# Altium PCB Ver1_0.PcbDoc
Units mm, origin at the board's own origin, x right, y up, seen from the top; angles counter-clockwise.
Board outline 40 x 65 mm, 2 copper layers (Top Layer, Bottom Layer); 59 components, 52 nets, 324 pads, 355 vias.
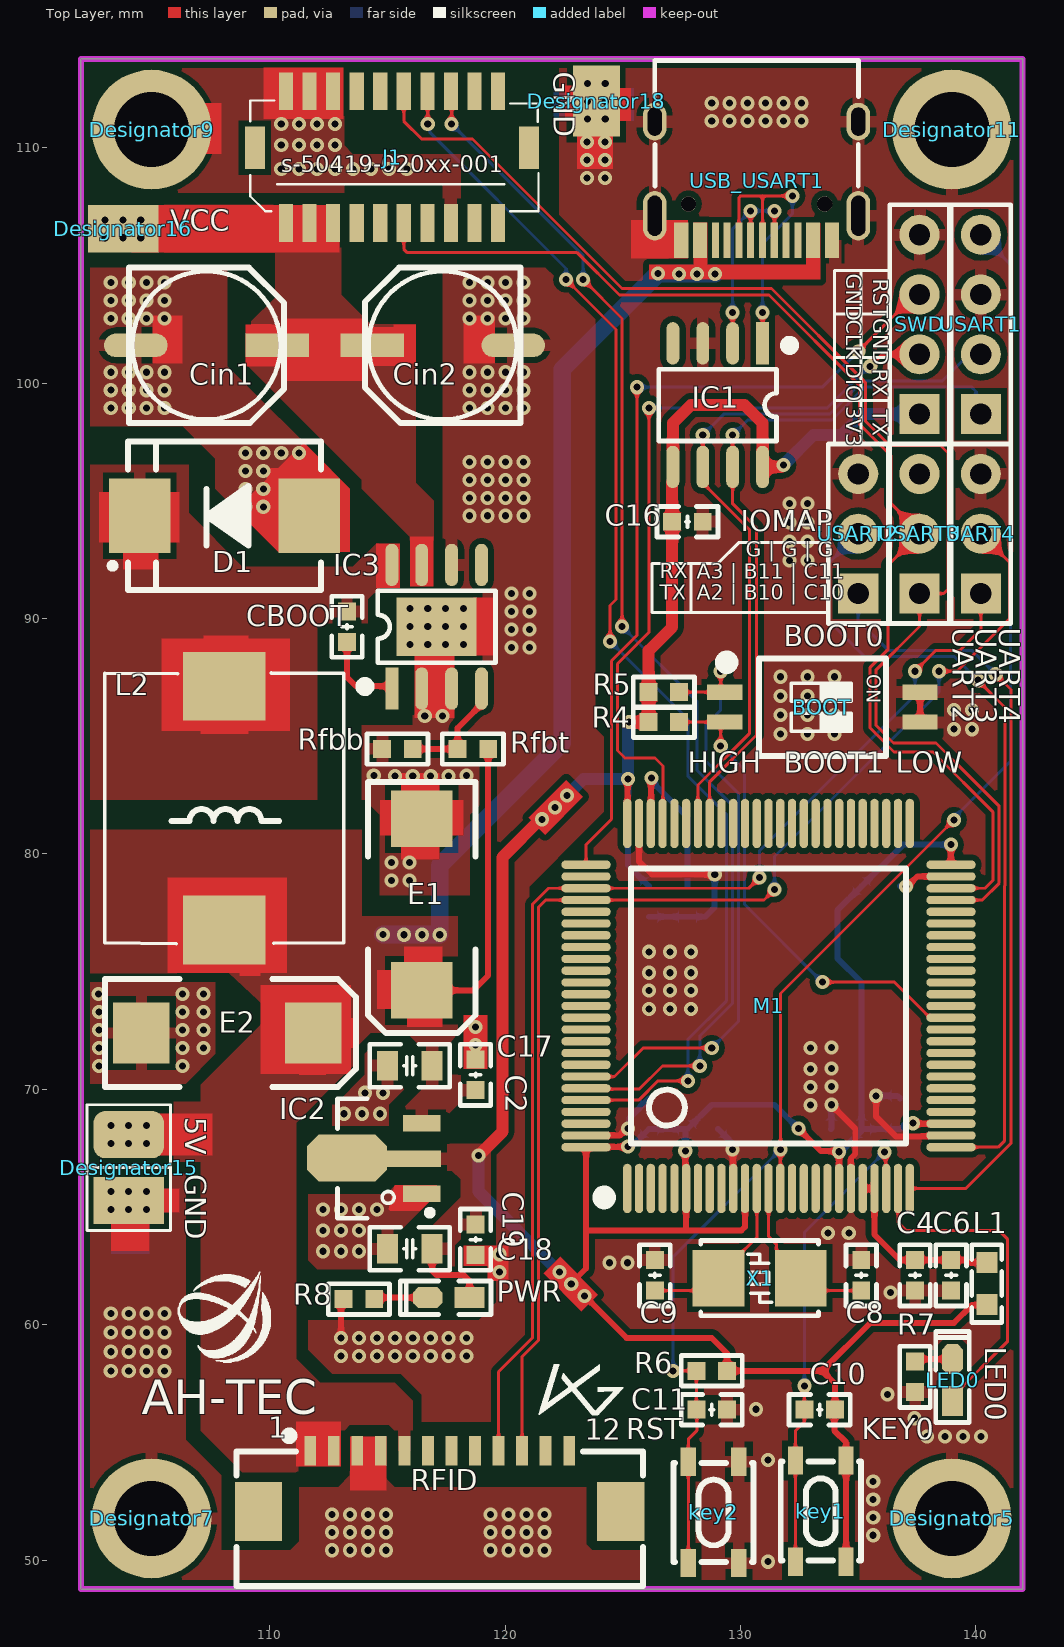
[diagram p0: Top Layer view]
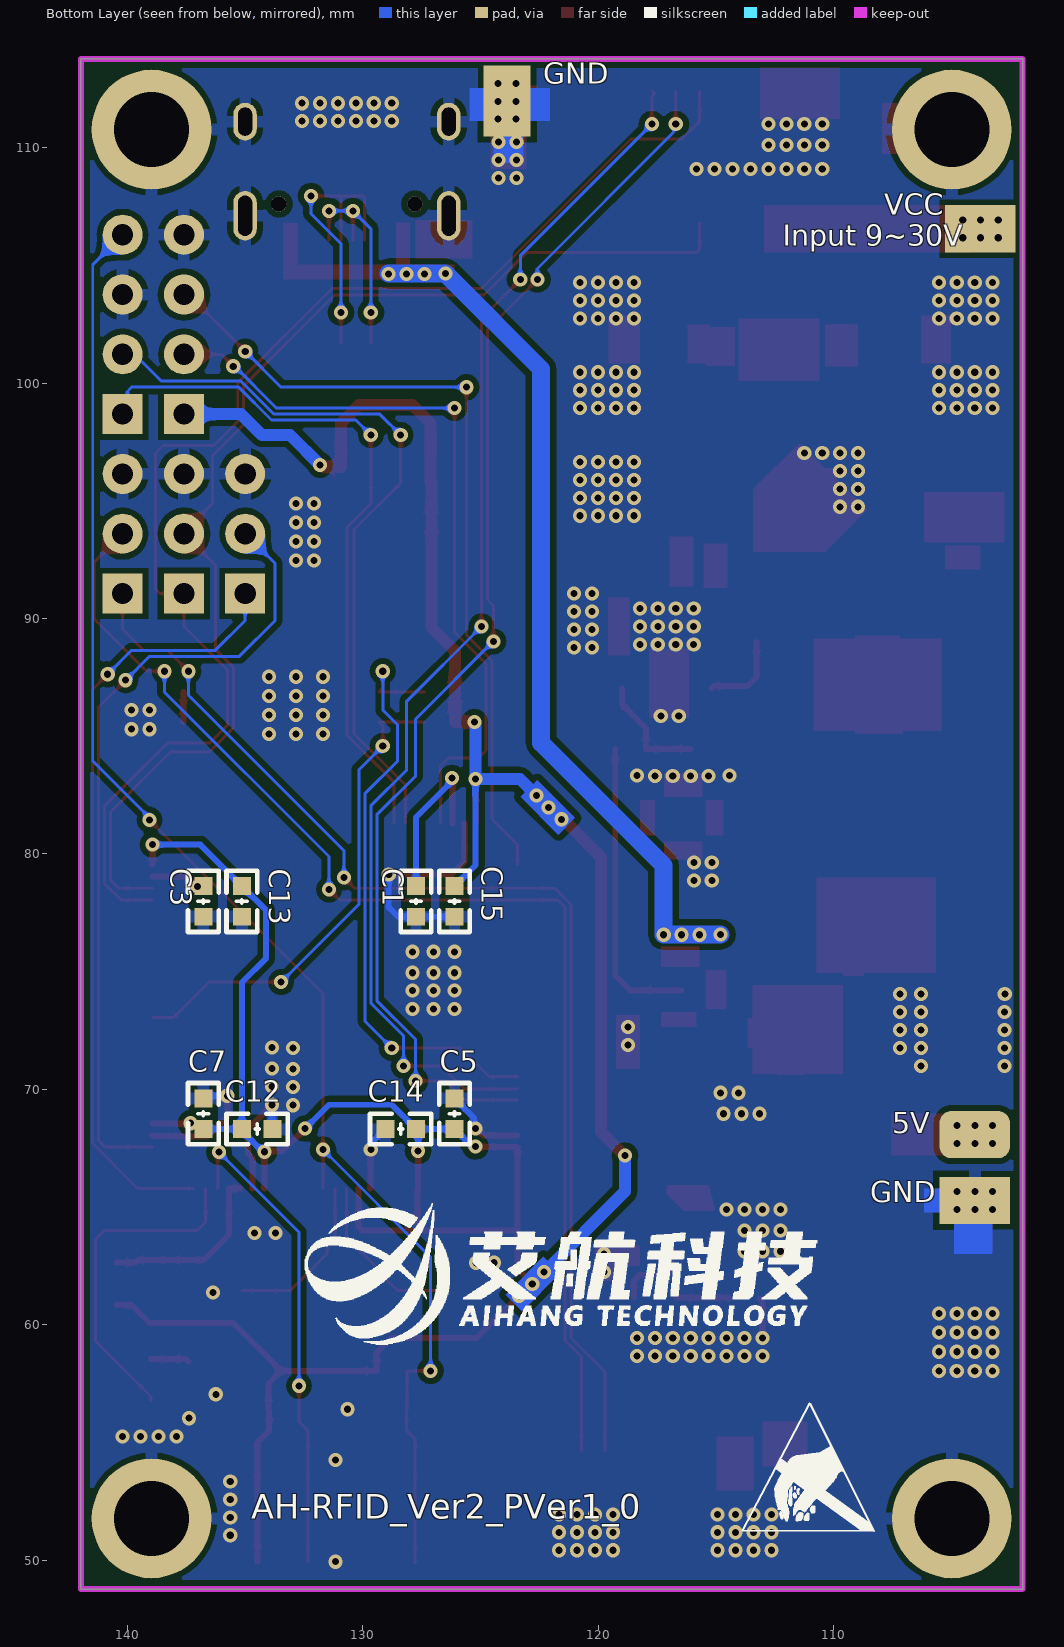
[diagram p1: Bottom Layer view, seen from below]

## Layer stack, top to bottom
Top Solder: solder mask 0.0102, Solder Resist, Dk 3.5
Top Layer: signal copper 0.0356
Dielectric 1: dielectric 0.32, FR-4, Dk 4.8
Bottom Layer: signal copper 0.0356
Bottom Solder: solder mask 0.0102, Solder Resist, Dk 3.5

## Board outline
101.981,48.768 141.981,48.768 141.981,113.768 101.981,113.768

## Design rules (kind name [scope] priority, off if disabled: settings)
Clearance [All] p1: gap=0.127 ignorepadtopadclearanceinfootprint=TRUE except(0.254: Track-Poly Track-Region SMDPad-Poly THPad-Poly THPad-Region Via-Poly Via-Region Fill-Poly Fill-Region Poly-Poly Poly-Region Region-Region)
HoleSize [All] p1: absolutevalues=TRUE maxlimit=5.08 minlimit=0.3 maxpercent=80.000 minpercent=20.000
HoleToHoleClearance [All] p1: gap=0.127 allowstackedmicrovias=TRUE
MinimumSolderMaskSliver [All] p1: minsoldermaskwidth=0.127
PlaneClearance [All] p1: clearance=0.381
PlaneConnect [All] p1: planeconnectstyle=Relief reliefexpansion=0.508 reliefentries=4 reliefconductorwidth=0.381 reliefairgap=0.381
PolygonConnect [All] p1: thpad.connectstyle=Relief thpad.reliefconductorwidth=0.508 thpad.reliefentries=4 thpad.polygonreliefangle="90 Angle" thpad.airgapwidth=0.254 smdpad.connectstyle=Relief smdpad.reliefconductorwidth=0.508 smdpad.reliefentries=4 smdpad.polygonreliefangle="90 Angle" smdpad.airgapwidth=0.254 via.connectstyle=Direct via.reliefconductorwidth=0.381 via.reliefentries=4 via.polygonreliefangle="90 Angle" via.airgapwidth=0.381
RoutingVias [All] p1: holewidth=0.711 width=1.27 viastyle="Through Hole" minholewidth=0.3 minwidth=0.6 maxholewidth=0.711 maxwidth=1.27
SilkToSilkClearance [All] p1: silktosilkclearance=0.127
SilkToSolderMaskClearance [IsPad] p1: minsilkscreentomaskgap=0.127 clearancetoexposedcopper=TRUE
SolderMaskExpansion [All] p1: expansion=0.102 istentingtop=FALSE
Width VCC [InNetClass('VCC')] p1: maxlimit=0.762 minlimit=0.127 preferedwidth=0.508
Width GND [InNetClass('GND')] p2: maxlimit=0.762 minlimit=0.127 preferedwidth=0.508
Width SIGNAL [InNetClass('SIGNAL')] p3: maxlimit=0.254 minlimit=0.127 preferedwidth=0.127
23 further rules are at their usual default settings.

## Classes and differential pairs
net class UART4: UART4_RX UART4_TX
net class SIGNAL: BOOT0 BOOT1 "CH340N D+" "CH340N D-" DJI_HIGH_PWR DJI_PPS KEY0 LED0 NetC1_1 NetC3_1 NetCBOOT1_1 NetCBOOT1_2 NetIC3_4 NetLED0_2 NetPWR_2 NRST OLED_CS OLED_DC OLED_RST OSC_8M_IN OSC_8M_OUT PB6_I2C1_SCL PB7_I2C1_SDA PC0_ADC123_IN10 PC1_ADC123_IN11 PC2_ADC123_IN12 PC3_ADC123_IN13 PC4_ADC12_IN14 PC5_ADC12_IN15 PC6 PC7 SPI1_CLK_PA5 SPI1_CS_PA4 SPI1_MISO_PA6 SPI1_MOSI_PA7 SPI2_CLK SPI2_MOSI SWCLK SWDIO UART4_RX UART4_TX USART1_RX USART1_TX USART2_RX USART2_TX USART3_RX USART3_TX VDDA
net class VCC: VCC13.6V_IN VCC_3V3 VCC_5V
net class GND: GND
component class Power: C2 C17 C18 C19 CBOOT Cin1 Cin2 D1 E1 E2 IC2 IC3 L2 Rfbb Rfbt
component class Main_Core: BOOT C1 C3 C4 C5 C6 C7 C8 C9 C10 C11 C12 C13 C14 C15 key1 key2 L1 LED0 M1 PWR R4 R5 R6 R7 R8 X1
component class Interface: C16 IC1 J1 RFID SWD UART4 USART1 USART2 USART3 USB_USART1

## Components (designator, comment, footprint, x,y, rotation, side; value= is the part's Value field where it differs from the comment)
BOOT "CSW-2P" "CSW1.27 SMD-2P" 133.477,86.233 r270 top locked
C1 "2.2uF" "C 0603_L" 127.747,77.978 r270 bottom locked
C2 "0.1uF" "C 0603_L" 118.745,70.612 r270 top locked
C3 "2.2uF" "C 0603_L" 136.779,77.978 r270 bottom locked
C4 "0.1uF" "C 0603_L" 137.414,62.099 r90 top locked
C5 "0.1uF" "C 0603_L" 126.111,68.961 r270 bottom locked
C6 "10uF" "C 0603_L" 138.945,62.099 r90 top locked
C7 "0.1uF" "C 0603_L" 136.779,68.961 r270 bottom locked
C8 "22pF" "C 0603_L" 135.128,62.098 r270 top locked
C9 "22pF" "C 0603_L" 126.365,62.098 r270 top locked
C10 "0.1uF" "C 0603_L" 133.365,56.388 r180 top locked
C11 "0.1uF" "C 0603_L" 128.778,56.388 r180 top locked
C12 "0.1uF" "C 0603_L" 134.493,68.311 r0 bottom locked
C13 "0.1uF" "C 0603_L" 135.143,77.978 r90 bottom locked
C14 "0.1uF" "C 0603_L" 128.397,68.311 r180 bottom locked
C15 "0.1uF" "C 0603_L" 126.111,77.978 r90 bottom locked
C16 "0.1uF" "C 0603_L" 127.747,94.107 r180 top locked
C17 "10uF" "C 0805_L" 115.951,70.998 r0 top locked
C18 "10uF" "C 0805_L" 115.951,63.226 r0 top locked
C19 "0.1uF" "C 0603_L" 118.745,63.612 r90 top locked
CBOOT "10nF" "C 0603_L" 113.284,89.647 r90 top locked (schematic designator CBOOT1)
Cin1 "100uF/40V" "CM D(6.3*7.7)" 107.315,101.6 r0 top locked
Cin2 "100uF/40V" "CM D(6.3*7.7)" 117.348,101.6 r180 top locked
D1 "SS54" SMC 108.077,94.361 r180 top locked
Designator5 "Comment" "M3 125X200" 138.981,51.768 r0 top locked
Designator7 "Comment" "M3 125X200" 104.981,51.768 r0 top locked
Designator9 "Comment" "M3 125X200" 104.981,110.768 r0 top locked
Designator11 "Comment" "M3 125X200" 138.981,110.768 r0 top locked
Designator15 "Comment" PAD_DOUBLE_x2_2x3mm 104.013,65.278 r90 top locked
Designator16 "Comment" PAD_DOUBLE_2x3mm 103.775,106.553 r90 top locked
Designator18 "Comment" PAD_DOUBLE_2x3mm 123.874,111.981 r180 top locked
E1 "220uF/10V" "CD D(7343)" 116.459,77.851 r90 top locked
E2 "220uF/10V" "CD D(7343)" 108.204,72.39 r180 top locked
IC1 "CH340N" SOP8_N 129.032,99.06 r270 top locked
IC2 "CJA1117" SOT89_M 114.402,67.056 r90 top locked
IC3 "TPS5450" ESOP8_N 117.094,89.647 r90 top locked value=N/A
J1 "X-Port_interface" s-50419-020xx-001 110.697,106.795 r0 top locked
key1 "key" TSMD-3*4*2.5 133.331,52.123 r90 top locked
key2 "key" TSMD-3*4*2.5 128.778,52.07 r90 top locked
L1 "10uH" "L 0603" 140.462,61.748 r270 top locked
L2 "10uH" L-SMD-1040 108.077,87.122 r90 top locked
LED0 "黄绿色" "LED 0603G" 139.013,57.647 r90 top locked
M1 "STM32F407VGT6" "LQFP100 14x14_M" 131.191,73.533 r0 top locked
PWR "红色" "LED 0603R" 117.602,61.155 r180 top locked
R4 "10K" "R 0603_L" 126.746,85.598 r180 top locked
R5 "10K" "R 0603_L" 126.746,86.868 r180 top locked
R6 "10K" "R 0603_L" 128.778,58.039 r180 top locked
R7 "2K" "R 0603_L" 137.414,57.785 r270 top locked
R8 "2K" "R 0603_L" 113.792,61.087 r180 top locked
Rfbb "3.24K" "R 0603_L" 115.428,84.455 r0 top locked
Rfbt "10K" "R 0603_L" 118.633,84.455 r0 top locked
RFID "FPC1.0-12P" FPC1.0-2H-WS-12P 117.221,52.07 r0 top locked
SWD "HDR-1X4" HDR2.54-LI-4P 137.605,102.489 r90 top locked
UART4 "HDR-1X4" HDR2.54-LI-3P 140.208,93.599 r90 top locked
USART1 "HDR-1X4" HDR2.54-LI-4P 140.208,102.489 r90 top locked
USART2 "HDR-1X4" HDR2.54-LI-3P 135.001,93.599 r90 top locked
USART3 "HDR-1X4" HDR2.54-LI-3P 137.605,93.599 r90 top locked
USB_USART1 "Type-C" Type-C 130.683,108.585 r90 top locked
X1 "8MHz" "OSC 5032-2P" 130.81,61.976 r180 top locked

## Footprints (in the part's own frame and the unit in brackets; to place one, negate y for a bottom-side part, rotate by r counter-clockwise, add the part's x,y. Pads: shape width x height; smd on the part's side, far side on the other; paste and mask are expansions set on the pad)
"C 0603_L" [mil] "无极性贴片电容"
  rect 30x30 smd: 1(-25.59,0) 2(25.59,0)
  silkscreen extent -51,-26 51,26, body extent -31,-16 31,16, height 32
"C 0805_L" [mil] "无极性贴片电容"
  rect 35x50 smd: 1(-37.4,0) 2(37.4,0)
  silkscreen extent -67,-36 67,36, body extent -39,-24 39,24, height 20
"CD D(7343)" [mm] "长7.3mm，宽4.3mm，厚2.8mm"
  rect 2.4x2.6 smd: 1(-3.65,0) 2(3.65,0)
  silkscreen extent -5.46,-2.29 5.21,2.29, body extent -3.65,-2.15 3.65,2.15, height 2.8
"CM D(6.3*7.7)" [mm] "贴片电解电容，直径6.3mm，高7.7mm"
  rect 2.7x1 smd: 1(3,0)
  oval 2.7x1 smd: 2(-3,0)
  silkscreen extent -3.3,-3.3 3.3,3.3, body extent -3.5,-3.3 3.5,3.3, height 7.7
"CSW1.27 SMD-2P" [mm] "长：4.14mm，宽：5.4mm，高：2.3mm"
  rect 0.65x1.5 smd: 1(-0.635,-4.15) 2(0.635,-4.15) 3(0.635,4.15) 4(-0.635,4.15)
  silkscreen extent -2.15,-4.31 2.07,2.7, body extent -2.07,-4.35 2.07,4.35, height 2.35
ESOP8_N [mm] "5*6*1.8mm（长宽高）"
  rect 1.8x0.55 smd: 1(-2.625,1.905)
  oval 1.8x0.55 smd: 2(-2.625,0.635) 3(-2.625,-0.635) 4(-2.625,-1.905) 5(2.625,-1.905) 6(2.625,-0.635) 7(2.625,0.635) 8(2.625,1.905)
  rect 2.5x3.4 smd paste-2: 9(0,0)
  rect 0.9x0.7 on Top Paste: 10(-0.625,1.1) 10(-0.625,0) 10(-0.625,-1.1) 11(0.65,1.1) 11(0.65,0) 11(0.65,-1.1)
  silkscreen extent -2.69,-2.5 1.52,3.2, body extent -3,-2.5 3,2.5, height 1.53
FPC1.0-2H-WS-12P [mm] "翻盖FPC，脚距1mm，不含脚（长16.9mm，宽5.2mm，高1.96mm）"
  rect 2x2.5 smd: 0(-7.69,0) 0(7.69,0)
  rect 0.5x1.25 smd: 1(-5.5,2.575) 2(-4.5,2.575) 3(-3.5,2.575) 4(-2.5,2.575) 5(-1.5,2.575) 6(-0.5,2.575) 7(0.5,2.575) 8(1.5,2.575) 9(2.5,2.575) 10(3.5,2.575) 11(4.5,2.575) 12(5.5,2.575)
  silkscreen extent -8.64,-3.17 8.64,3.31, body extent -8.45,-3.15 8.45,2.85, height 2
HDR2.54-LI-3P [mm] "排针，3脚"
  rect 1.7x1.7 hole 0.9: 1(-2.54,0)
  round 1.7 hole 0.9: 2(0,0) 3(2.54,0)
  silkscreen extent -3.81,-1.27 3.81,1.27, body extent -3.81,-1.27 3.81,1.27, height 8.5
HDR2.54-LI-4P [mm] "排针，4脚"
  rect 1.7x1.7 hole 0.9: 1(-3.81,0)
  round 1.7 hole 0.9: 2(-1.27,0) 3(1.27,0) 4(3.81,0)
  silkscreen extent -5.08,-1.27 5.08,1.27, body extent -5.08,-1.27 5.08,1.27, height 8.5
"L 0603" [mil] "小功率贴片电感"
  rect 35x35 smd: 1(-35,0) 2(35,0)
  silkscreen extent -65,-25 65,25, body extent -31,-16 31,16, height 31
L-SMD-1040 [mm] "SMD,11.5x10x4mm 一体化成型电感"
  rect 2.924x3.5 smd: 1(0,0) 2(-10.361,0)
  silkscreen extent -10.93,-5.08 0.56,5.08, body extent -10.99,-4.92 0.51,5.08, height 4
"LED 0603G" [mil] "绿色0603LED"
  rect 50x35 smd: 1(-35,0.26)
  oct 50x35 smd: 2(35,0.26)
  silkscreen extent -71,-28 81,28, body extent -31,-16 32,16, height 18
"LED 0603R" [mil] "红色0603LED"
  rect 50x35 smd: 1(-35,0.26)
  oct 50x35 smd: 2(35,0.26)
  silkscreen extent -71,-28 81,28, body extent -31,-16 31,16, height 18
"LQFP100 14x14_M" [mm] "100脚，体宽14x14mm，脚距0.5mm"
  oval 0.35x2.1 smd: 1(-6,-7.747) 2(-5.5,-7.747) 3(-5,-7.747) 4(-4.5,-7.747) 5(-4,-7.747) 6(-3.5,-7.747) 7(-3,-7.747) 8(-2.5,-7.747) 9(-2,-7.747) 10(-1.5,-7.747) 11(-1,-7.747) 12(-0.5,-7.747) 13(0,-7.747) 14(0.5,-7.747) 15(1,-7.747) 16(1.5,-7.747) 17(2,-7.747) 18(2.5,-7.747) 19(3,-7.747) 20(3.5,-7.747) 21(4,-7.747) 22(4.5,-7.747) 23(5,-7.747) 24(5.5,-7.747) 25(6,-7.747) 51(6,7.758) 52(5.5,7.758) 53(5,7.758) 54(4.5,7.758) 55(4,7.758) 56(3.5,7.758) 57(3,7.758) 58(2.5,7.758) 59(2,7.758) 60(1.5,7.758) 61(1,7.758) 62(0.5,7.758) 63(0,7.758) 64(-0.5,7.758) 65(-1,7.758) 66(-1.5,7.758) 67(-2,7.758) 68(-2.5,7.758) 69(-3,7.758) 70(-3.5,7.758) 71(-4,7.758) 72(-4.5,7.758) 73(-5,7.758) 74(-5.5,7.758) 75(-6,7.758)
  oval 2.1x0.35 smd: 26(7.752,-5.994) 27(7.752,-5.494) 28(7.752,-4.994) 29(7.752,-4.494) 30(7.752,-3.994) 31(7.752,-3.494) 32(7.752,-2.994) 33(7.752,-2.494) 34(7.752,-1.994) 35(7.752,-1.494) 36(7.752,-0.994) 37(7.752,-0.494) 38(7.752,0.006) 39(7.752,0.506) 40(7.752,1.006) 41(7.752,1.506) 42(7.752,2.006) 43(7.752,2.506) 44(7.752,3.006) 45(7.752,3.506) 46(7.752,4.006) 47(7.752,4.506) 48(7.752,5.006) 49(7.752,5.506) 50(7.752,6.006) 76(-7.752,6.006) 77(-7.752,5.506) 78(-7.752,5.006) 79(-7.752,4.506) 80(-7.752,4.006) 81(-7.752,3.506) 82(-7.752,3.006) 83(-7.752,2.506) 84(-7.752,2.006) 85(-7.752,1.506) 86(-7.752,1.006) 87(-7.752,0.506) 88(-7.752,0.006) 89(-7.752,-0.494) 90(-7.752,-0.994) 91(-7.752,-1.494) 92(-7.752,-1.994) 93(-7.752,-2.494) 94(-7.752,-2.994) 95(-7.752,-3.494) 96(-7.752,-3.994) 97(-7.752,-4.494) 98(-7.752,-4.994) 99(-7.752,-5.494) 100(-7.752,-5.994)
  silkscreen extent -7.23,-8.38 5.84,5.85, body extent -8,-8 8,8.01, height 1.45
"M3 125X200" [mm] "M3螺丝孔，孔125Mil，焊盘200Mil"
  round 5.08 hole 3.175: 1(0,0)
"OSC 5032-2P" [mm] "5mm*3.2mm*0.8mm(长*宽*高)"
  rect 2.2x2.4 smd: 1(-1.75,0) 2(1.75,0)
  silkscreen extent -2.5,-1.6 2.5,1.6, body extent -2.5,-1.6 2.5,1.6, height 0.86
PAD_DOUBLE_2x3mm [mm]
  round 0.6 hole 0.3: 1(-0.381,0.762) 1(-0.381,0.014) 1(-0.381,-0.748) 1(0.381,0.762) 1(0.381,0.014) 1(0.381,-0.748)
  rect 2x3 smd paste-222 mask+0.102: 1(0,0)
  rect 2x3 smd far side paste-222 mask+0.102: 1(0,0)
PAD_DOUBLE_x2_2x3mm [mm] "双面测试点 总大小3.18x5.08mm"
  round 0.6 hole 0.3: 1(-0.381,0.762) 1(-0.381,0.014) 1(-0.381,-0.748) 1(0.381,0.762) 1(0.381,0.014) 1(0.381,-0.748) 2(2.413,-0.748) 2(2.413,0.014) 2(2.413,0.762) 2(3.175,-0.748) 2(3.175,0.014) 2(3.175,0.762)
  rect 2x3 smd paste-222 mask+0.102: 1(0,0)
  rect 2x3 smd far side paste-222 mask+0.102: 1(0,0)
  rrect50% 2x3 smd paste-222 mask+0.102: 2(2.794,0)
  rrect50% 2x3 smd far side paste-222 mask+0.102: 2(2.794,0)
  silkscreen extent -1.27,-1.78 4.06,1.78
"R 0603_L" [mil] "1/10W贴片电阻"
  rect 30x30 smd: 1(-25.59,0) 2(25.59,0)
  silkscreen extent -51,-26 51,26, body extent -31,-16 32,16, height 16
s-50419-020xx-001 [mm] "20Pin-1.0MM-板对线连接器母座-WTB Wafer Conn.SMT D/R S/T Type"
  rect 0.85x1.8 smd: 0(-1.325,3.2) 0(10.325,3.2)
  rect 0.6x1.6 smd: 1(0,0) 2(0,5.6) 3(1,0) 4(1,5.6) 5(2,0) 6(2,5.6) 7(3,0) 8(3,5.6) 9(4,0) 10(4,5.6) 11(5,0) 12(5,5.6) 13(6,0) 14(6,5.6) 15(7,0) 16(7,5.6) 17(8,0) 18(8,5.6) 19(9,0) 20(9,5.6)
  silkscreen extent -1.52,0.51 10.72,5.21, body extent -1.99,-0.5 11.01,6.1, height 4.2
SMC [mm] "7.1x5.9*2.3mm（长宽高，不包括引脚）"
  rect 2.6x3.15 smd: 1(-3.6,0) 2(3.6,0)
  silkscreen extent -4.1,-3.15 4.87,3.15, body extent -3.95,-2.9 3.95,2.9, height 2.45
SOP8_N [mm] "5*6*1.8mm（长宽高）"
  rect 1.8x0.55 smd: 1(-2.625,1.905)
  oval 1.8x0.55 smd: 2(-2.625,0.635) 3(-2.625,-0.635) 4(-2.625,-1.905) 5(2.625,-1.905) 6(2.625,-0.635) 7(2.625,0.635) 8(2.625,1.905)
  silkscreen extent -2.69,-2.5 1.52,3.2, body extent -3,-2.5 3,2.5, height 1.9
SOT89_M [mm] "4.6x4.3x1.6mm(长宽高)"
  rect 0.7x1.6 smd: 1(-1.5,-2.054) 3(1.5,-2.054)
  rect 0.7x2.4 smd: 2(0,-1.676)
  oct 2x3.4 smd: 2(0.025,1.118)
  silkscreen extent -2.54,-2.53 2.54,1.52, body extent -2.3,-2.4 2.3,1.9, height 1.6
TSMD-3*4*2.5 [mm] "TS-3*4*2.5mm微触按键"
  rect 1.2x0.65 smd: 1(-2.194,0.997) 2(2.106,0.997) 3(-2.194,-1.153) 4(2.106,-1.153)
  silkscreen extent -2.14,-1.78 2.06,1.62, body extent -2.29,-1.78 2.21,1.62, height 2.5
Type-C [mm]
  round 0.65 hole 0.65: 0(-0.98,2.89) 0(-0.98,-2.89)
  oval 1.6x1 hole 0.6 slot 1.2 at 0 deg: 1(2.52,4.325) 2(2.52,-4.325)
  oval 2.1x1 hole 0.6 slot 1.7 at 0 deg: 3(-1.48,-4.325) 4(-1.48,4.325)
  rect 1.5x0.3 smd: A1(-2.52,-3.35) A4(-2.52,-2.55) A5(-2.52,-1.25) A6(-2.52,-0.25) A7(-2.52,0.25) A8(-2.52,1.25) A9(-2.52,2.55) A12(-2.52,3.35) B1(-2.52,3.05) B4(-2.52,2.25) B5(-2.52,1.75) B6(-2.52,0.75) B7(-2.52,-0.75) B8(-2.52,-1.75) B9(-2.52,-2.25) B12(-2.52,-3.05)
  silkscreen extent -0.22,-4.33 5.12,4.33, body extent -2.43,-4.53 5.32,4.42, height 3.32

## Part data
BOOT: "2路编码开关", BOM名称=2路编码开关, 版权归属=源创客, 学习资源=www.ooocke.com
C1 C2 C3 C4 C5 C6 C7 C8 C9 C10 C11 C12 C13 C14 C15 C16 C17 C18 C19 CBOOT: library part C, "无极性贴片电容", BOM名称=无极性贴片电容, 版权归属=源创客, 学习资源=www.ooocke.com
Cin1 Cin2: library part C-CM, "贴片电解电容", BOM名称=贴片电解电容, 版权归属=源创客, 学习资源=www.ooocke.com
D1: "肖特基二极管"
E1 E2: library part C-CD, "贴片钽电容", BOM名称=贴片钽电容, 版权归属=源创客, 学习资源=www.ooocke.com
IC1: "USB 转串口芯片 CH330/CH340N"
IC2: "线性稳压器(LDO) SOT89  CJA1117B-3.3 : 最大输入电压  15V ; 3.3V @ 1A"
IC3: "DC-Buck芯片", Manufacturer Name="Texas Instruments", Manufacturer Part Number=TPS5450DDA, PackageReference=TPS5450DDAR
J1: library part s-50419-020xx-001, "20Pin-1.0MM-板对线连接器母座-WTB Wafer Conn.SMT D/R S/T Type."
key1 key2: library part TS-3x4x2.5mm-4pin, "TS-3x4x2.5mm-4pin 轻触按键"
L1: library part L, "小功率贴片电感", BOM名称=小功率贴片电感, 版权归属=源创客, 学习资源=www.ooocke.com
L2: library part L-CD, "贴片功率电感", BOM名称=功率电感, 版权归属=源创客, 学习资源=www.ooocke.com
LED0 PWR: library part LED-SMD, "贴片LED", BOM名称=贴片LED, 版权归属=源创客, 学习资源=www.ooocke.com
M1: "LQFP100，ARM®-Cortex®-M4-series-微控制器-IC-32-位-168MHz-1MB Flash，192KB SRAM.  IO:82"
R4 R5 R6 R7 R8 Rfbb Rfbt: library part R, "贴片电阻", BOM名称=贴片电阻, 版权归属=源创客, 学习资源=www.ooocke.com
RFID: library part FPC-12P, "FPC连接器", BOM名称=FPC连接器, 版权归属=源创客, 学习资源=www.ooocke.com
SWD USART1: library part "Header 4", "4P接插件", BOM名称=4P接插件, 版权归属=源创客, 学习资源=www.ooocke.com
UART4 USART2 USART3: library part "Header 3", "3P接插件", BOM名称=3P接插件, 版权归属=源创客, 学习资源=www.ooocke.com
X1: library part XTAL-2P, "2脚无源脚晶振", BOM名称=2脚无源脚晶振, 版权归属=源创客, 学习资源=www.ooocke.com

## Via types
v1: diameter 0.6, hole 0.3, Top Layer to Bottom Layer, tented both sides, 355 vias

## Nets (pads, with @x,y where several pads share a name; then routed paths per layer and width w, separated by ;. In a path a pad name is that pad's centre, name@x,y a point inside that pad or via, vN(x,y) a via of type N, cw(c..) or ccw(c..) an arc to the next point about the centre after c; other vN are vias at no path point)
BOOT0: BOOT.1 M1.94 R5.1 | length 26
  Top Layer w0.127: M1.94 124.651,70.539 125.867,71.755 v1(128.778,71.755) ; R5.1 BOOT.1 129.159,87.036 v1(129.159,87.757)
  Bottom Layer w0.127: v1(128.778,71.755) 129.921,72.898 129.921,82.55 128.524,83.947 128.524,85.471 129.159,86.106 v1(129.159,87.757)
BOOT1: BOOT.2 M1.37 R4.1 | length 20.9
  Top Layer w0.127: R4.1 BOOT.2 129.159,85.43 v1(129.159,84.582) ; v1(133.477,74.549) 136.541,74.549 138.052,73.039 M1.37
  Bottom Layer w0.127: v1(129.159,84.582) 130.175,83.566 130.175,77.851 v1(133.477,74.549)
"CH340N D+": IC1.1 USB_USART1.A6 USB_USART1.B6 | length 12.8
  Top Layer w0.127: USB_USART1.B6 129.933,107.876 130.007,107.95 130.937,107.95 ; USB_USART1.A6 130.937,106.069 130.937,107.95 ; IC1.1 v1(130.937,102.997) ; v1(132.207,107.95) 130.937,107.95
  Bottom Layer w0.127: v1(130.937,102.997) 130.937,105.918 132.207,107.188 v1(132.207,107.95)
"CH340N D-": IC1.2 USB_USART1.A7 USB_USART1.B7 | length 9.5
  Top Layer w0.127: IC1.2 v1(129.667,102.997) ; v1(130.429,107.315) 130.431,107.313 130.431,106.067 USB_USART1.A7 ; USB_USART1.B7 131.439,106.071 131.439,107.309 v1(131.445,107.315)
  Bottom Layer w0.127: v1(129.667,102.997) 129.667,106.553 v1(130.429,107.315) v1(131.445,107.315)
DJI_HIGH_PWR: J1.16 M1.95 | length 52.3
  Top Layer w0.127: J1.16 117.602,112.3 117.729,112.173 v1(117.729,110.998) ; v1(123.317,104.394) 124.968,102.743 v1(124.968,89.662) ; M1.95 123.469,70.008 125.699,70.008 126.684,70.993 v1(128.27,70.993)
  Bottom Layer w0.127: v1(117.729,110.998) 123.317,105.41 v1(123.317,104.394) ; v1(124.968,89.662) 128.143,86.487 128.143,83.566 129.667,82.042 129.667,73.66 128.27,72.263 v1(128.27,70.993)
DJI_PPS: J1.14 M1.96 | length 52.9
  Top Layer w0.127: J1.14 116.713,112.379 v1(116.713,110.998) ; v1(122.59,104.394) 124.714,102.27 124.714,90.805 124.46,90.551 v1(124.46,89.027) ; M1.96 125.673,69.539 126.492,70.358 v1(127.762,70.358)
  Bottom Layer w0.127: v1(116.713,110.998) 116.804,110.907 116.804,110.653 122.59,104.867 v1(122.59,104.394) ; v1(124.46,89.027) 127.762,85.725 127.762,83.312 129.413,81.661 129.413,73.765 127.762,72.114 v1(127.762,70.358)
GND: BOOT.3 BOOT.4 C1.2 C2.1 C3.2 C4.1 C5.1 C6.1 C7.1 C8.1 C9.1 C11.1 C12.1 C13.1 C14.1 C15.1 C16.1 C17.1 C18.1 C19.1 Cin1.2 Cin2.2 D1.1 Designator5.1 Designator7.1 Designator9.1 Designator11.1 Designator15.1 Designator18.1 E1.2 E2.2 IC1.3 IC2.1 IC3.2 IC3.3 IC3.6 IC3.9 J1.2 J1.4 J1.6 J1.15 key2.3 key2.4 M1.10 M1.20 M1.27 M1.74 M1.99 R7.2 R8.2 Rfbb.1 RFID.3 RFID.4 SWD.4 UART4.3 USART1.3 USART2.3 USART3.3 USB_USART1.1 USB_USART1.2 USB_USART1.3 USB_USART1.4 USB_USART1.A1 USB_USART1.A12 USB_USART1.B1 USB_USART1.B12 | length 29.3